# KiCad board LI-ION_Charger.kicad_pcb (continued)
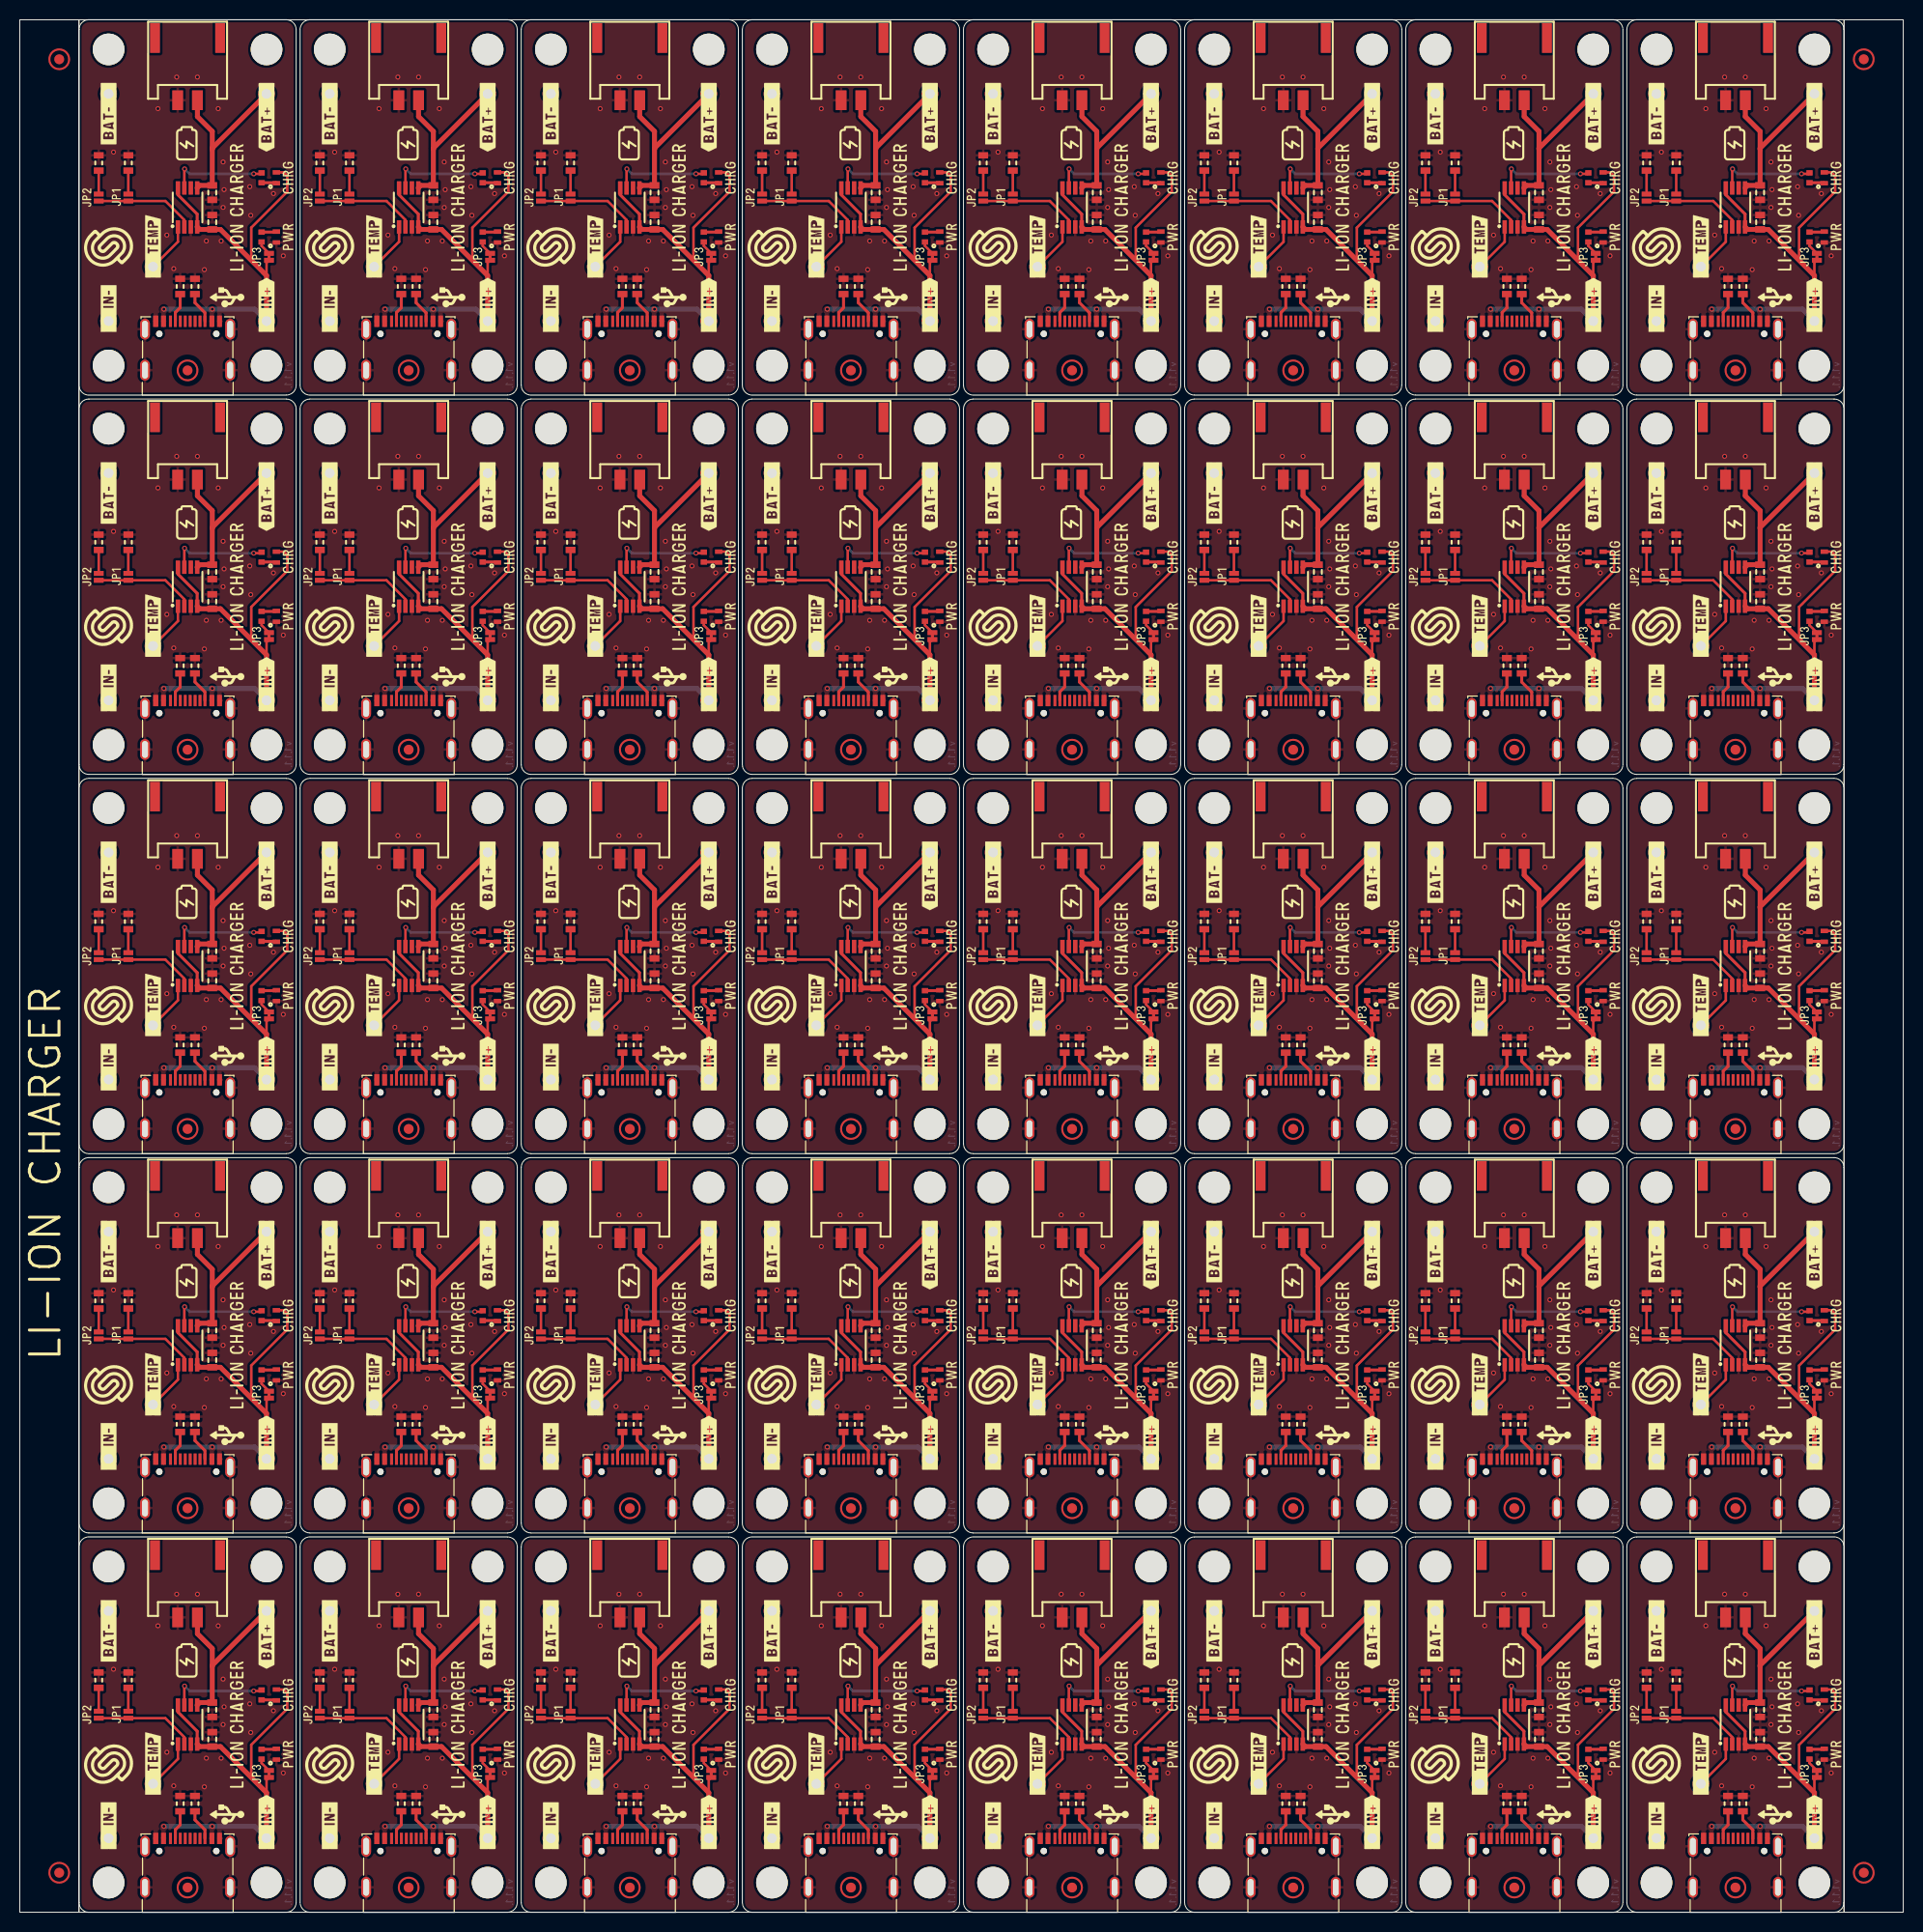
[diagram p0: board, top side]
## Copper pours and planes (outline as drawn; the poured copper is in the pictures) (continued)
VUSB on Top: 37.3,47.2 37.3,45.3 36.6,45.3 36.6,47.2 36.8,47.4 37.1,47.4
VUSB on Top: 171.7,124 171.7,122.1 171,122.1 171,124 171.2,124.2 171.5,124.2
VUSB on Top: 131.8,85.6 131.8,83.7 131.1,83.7 131.1,85.6 131.3,85.8 131.6,85.8
VUSB on Top: 154.2,8.8 154.2,6.9 153.5,6.9 153.5,8.8 153.7,9 154,9
VUSB on Top: 154.2,47.2 154.2,45.3 153.5,45.3 153.5,47.2 153.7,47.4 154,47.4
VUSB on Top: 14.9,85.6 14.9,83.7 14.2,83.7 14.2,85.6 14.4,85.8 14.7,85.8
VUSB on Top: 42.2,162.4 42.2,160.5 41.5,160.5 41.5,162.4 41.7,162.6 42,162.6
VUSB on Top: 149.3,124 149.3,122.1 148.6,122.1 148.6,124 148.8,124.2 149.1,124.2
VUSB on Top: 42.2,85.6 42.2,83.7 41.5,83.7 41.5,85.6 41.7,85.8 42,85.8
VUSB on Top: 109.4,162.4 109.4,160.5 108.7,160.5 108.7,162.4 108.9,162.6 109.2,162.6
VUSB on Top: 126.9,85.6 126.9,83.7 126.2,83.7 126.2,85.6 126.4,85.8 126.7,85.8
VUSB on Top: 176.6,162.4 176.6,160.5 175.9,160.5 175.9,162.4 176.1,162.6 176.4,162.6
VUSB on Top: 37.3,124 37.3,122.1 36.6,122.1 36.6,124 36.8,124.2 37.1,124.2
VUSB on Top: 131.8,162.4 131.8,160.5 131.1,160.5 131.1,162.4 131.3,162.6 131.6,162.6
VUSB on Top: 126.9,124 126.9,122.1 126.2,122.1 126.2,124 126.4,124.2 126.7,124.2
VUSB on Top: 19.8,47.2 19.8,45.3 19.1,45.3 19.1,47.2 19.3,47.4 19.6,47.4
VUSB on Top: 82.1,85.6 82.1,83.7 81.4,83.7 81.4,85.6 81.6,85.8 81.9,85.8
VUSB on Top: 126.9,8.8 126.9,6.9 126.2,6.9 126.2,8.8 126.4,9 126.7,9
VUSB on Top: 171.7,47.2 171.7,45.3 171,45.3 171,47.2 171.2,47.4 171.5,47.4
VUSB on Top: 14.9,47.2 14.9,45.3 14.2,45.3 14.2,47.2 14.4,47.4 14.7,47.4
VUSB on Top: 149.3,47.2 149.3,45.3 148.6,45.3 148.6,47.2 148.8,47.4 149.1,47.4
VUSB on Top: 59.7,162.4 59.7,160.5 59,160.5 59,162.4 59.2,162.6 59.5,162.6
VUSB on Top: 131.8,124 131.8,122.1 131.1,122.1 131.1,124 131.3,124.2 131.6,124.2
VUSB on Top: 59.7,85.6 59.7,83.7 59,83.7 59,85.6 59.2,85.8 59.5,85.8
VUSB on Top: 149.3,85.6 149.3,83.7 148.6,83.7 148.6,85.6 148.8,85.8 149.1,85.8
VUSB on Top: 59.7,8.8 59.7,6.9 59,6.9 59,8.8 59.2,9 59.5,9
VUSB on Top: 37.3,162.4 37.3,160.5 36.6,160.5 36.6,162.4 36.8,162.6 37.1,162.6
VUSB on Top: 104.5,85.6 104.5,83.7 103.8,83.7 103.8,85.6 104,85.8 104.3,85.8
VUSB on Top: 176.6,8.8 176.6,6.9 175.9,6.9 175.9,8.8 176.1,9 176.4,9
VUSB on Top: 104.5,8.8 104.5,6.9 103.8,6.9 103.8,8.8 104,9 104.3,9
VUSB on Top: 64.6,47.2 64.6,45.3 63.9,45.3 63.9,47.2 64.1,47.4 64.4,47.4
VUSB on Top: 109.4,85.6 109.4,83.7 108.7,83.7 108.7,85.6 108.9,85.8 109.2,85.8
VUSB on Top: 87,124 87,122.1 86.3,122.1 86.3,124 86.5,124.2 86.8,124.2
VUSB on Top: 154.2,162.4 154.2,160.5 153.5,160.5 153.5,162.4 153.7,162.6 154,162.6
VUSB on Top: 14.9,8.8 14.9,6.9 14.2,6.9 14.2,8.8 14.4,9 14.7,9
VUSB on Top: 87,85.6 87,83.7 86.3,83.7 86.3,85.6 86.5,85.8 86.8,85.8
VUSB on Top: 126.9,162.4 126.9,160.5 126.2,160.5 126.2,162.4 126.4,162.6 126.7,162.6
VUSB on Top: 42.2,124 42.2,122.1 41.5,122.1 41.5,124 41.7,124.2 42,124.2
VUSB on Top: 87,8.8 87,6.9 86.3,6.9 86.3,8.8 86.5,9 86.8,9
VUSB on Top: 64.6,8.8 64.6,6.9 63.9,6.9 63.9,8.8 64.1,9 64.4,9
VUSB on Top: 131.8,47.2 131.8,45.3 131.1,45.3 131.1,47.2 131.3,47.4 131.6,47.4
VUSB on Top: 87,162.4 87,160.5 86.3,160.5 86.3,162.4 86.5,162.6 86.8,162.6
VUSB on Top: 176.6,85.6 176.6,83.7 175.9,83.7 175.9,85.6 176.1,85.8 176.4,85.8
VUSB on Top: 109.4,124 109.4,122.1 108.7,122.1 108.7,124 108.9,124.2 109.2,124.2
VUSB on Top: 104.5,47.2 104.5,45.3 103.8,45.3 103.8,47.2 104,47.4 104.3,47.4
VUSB on Top: 82.1,162.4 82.1,160.5 81.4,160.5 81.4,162.4 81.6,162.6 81.9,162.6
VUSB on Top: 171.7,8.8 171.7,6.9 171,6.9 171,8.8 171.2,9 171.5,9
VUSB on Top: 82.1,124 82.1,122.1 81.4,122.1 81.4,124 81.6,124.2 81.9,124.2
VUSB on Top: 64.6,162.4 64.6,160.5 63.9,160.5 63.9,162.4 64.1,162.6 64.4,162.6
VUSB on Top: 176.6,47.2 176.6,45.3 175.9,45.3 175.9,47.2 176.1,47.4 176.4,47.4
VUSB on Top: 87,47.2 87,45.3 86.3,45.3 86.3,47.2 86.5,47.4 86.8,47.4
VUSB on Top: 14.9,162.4 14.9,160.5 14.2,160.5 14.2,162.4 14.4,162.6 14.7,162.6

## Text on the board
F.Silkscreen: LI-ION CHARGER
User.8: V-CUT
